# KiCad board PETER.kicad_pcb
title: PETER; date: 2024-07-29; rev: 0; company: Denno Wiggle; note: Peripheral ECP5 Technology and Entertainment; note: Resource
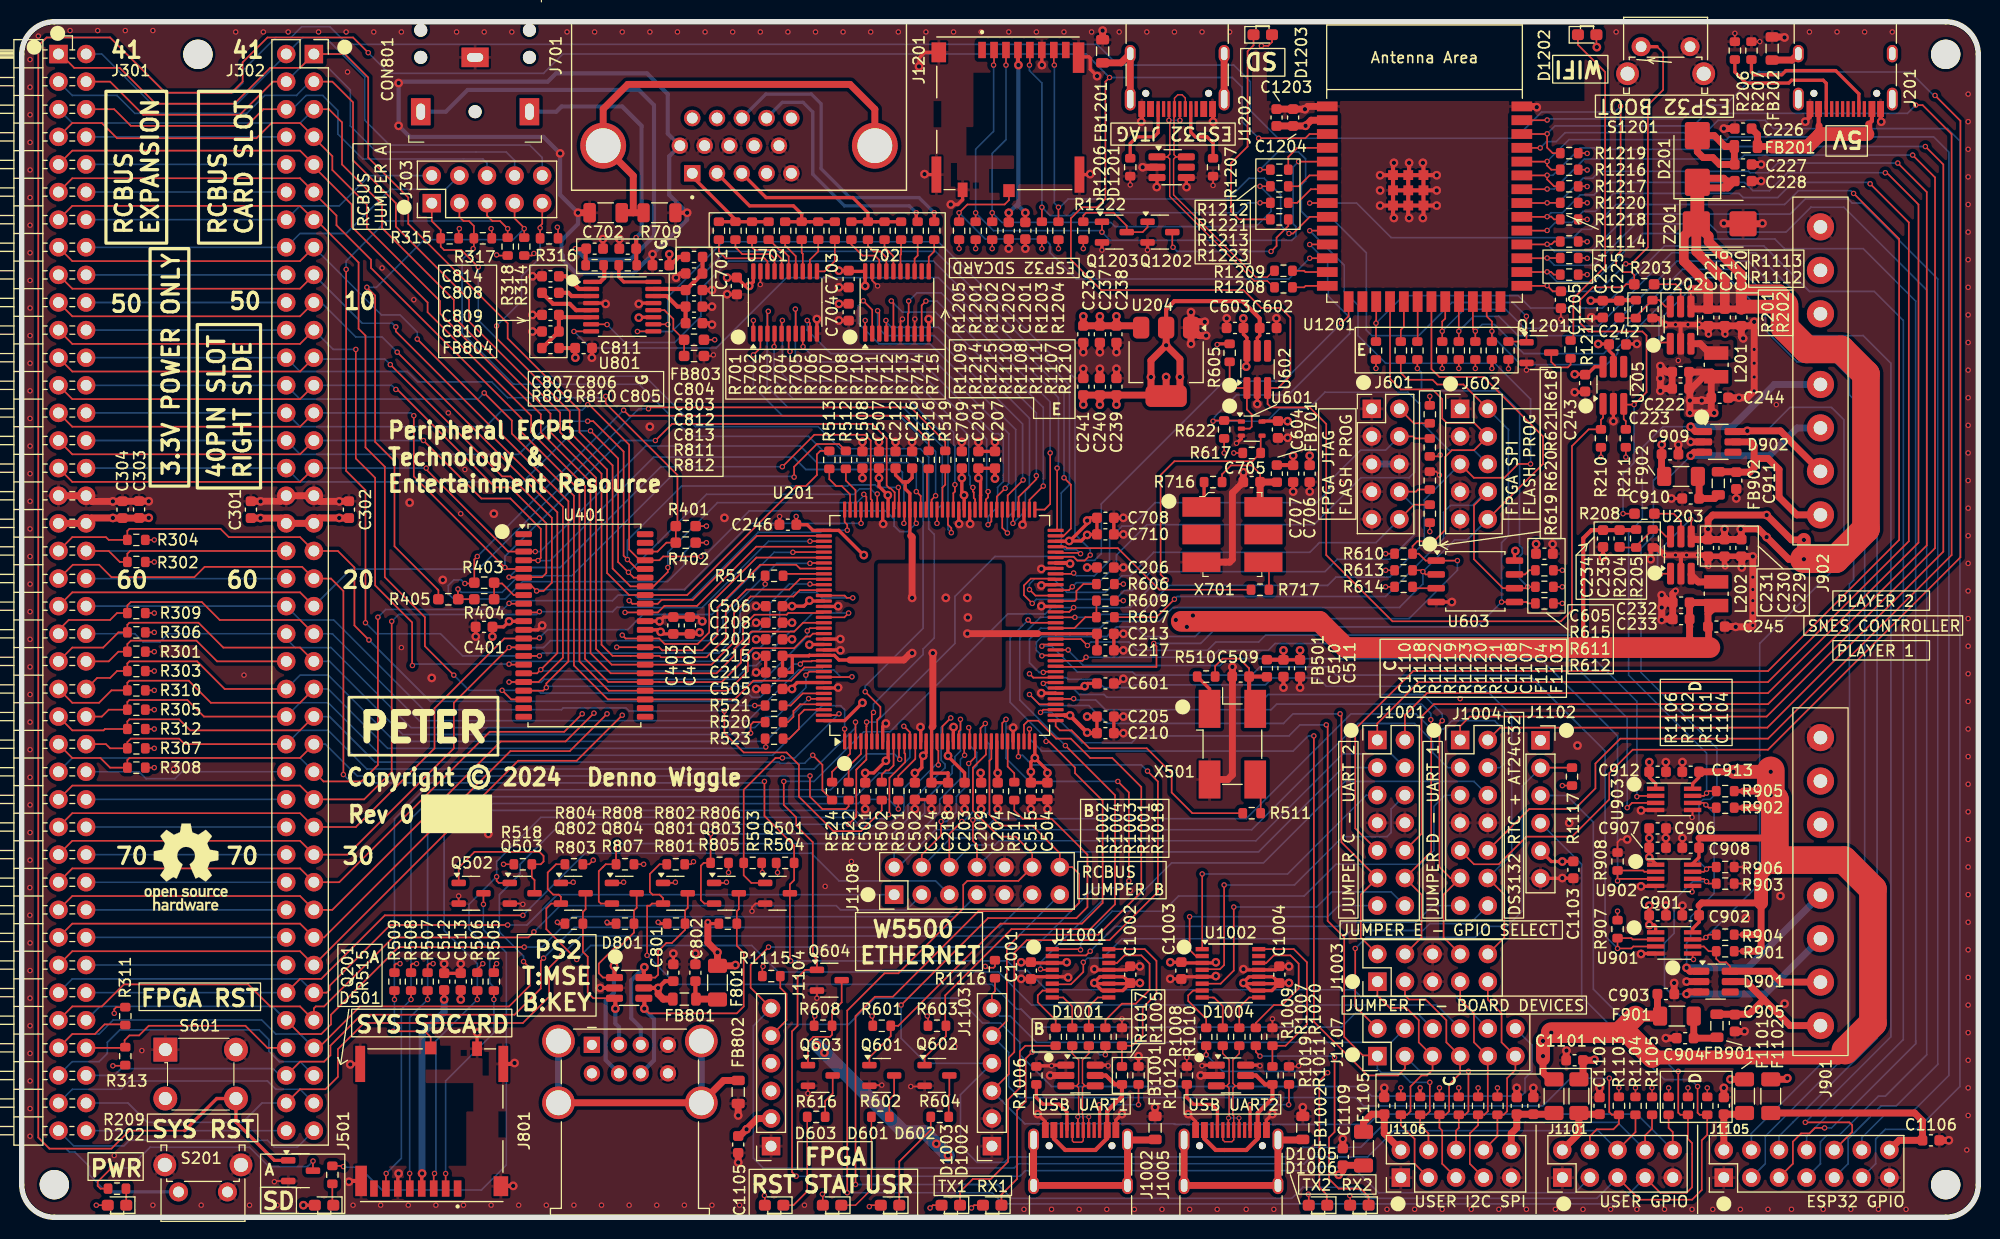
[diagram p0: board, top side]
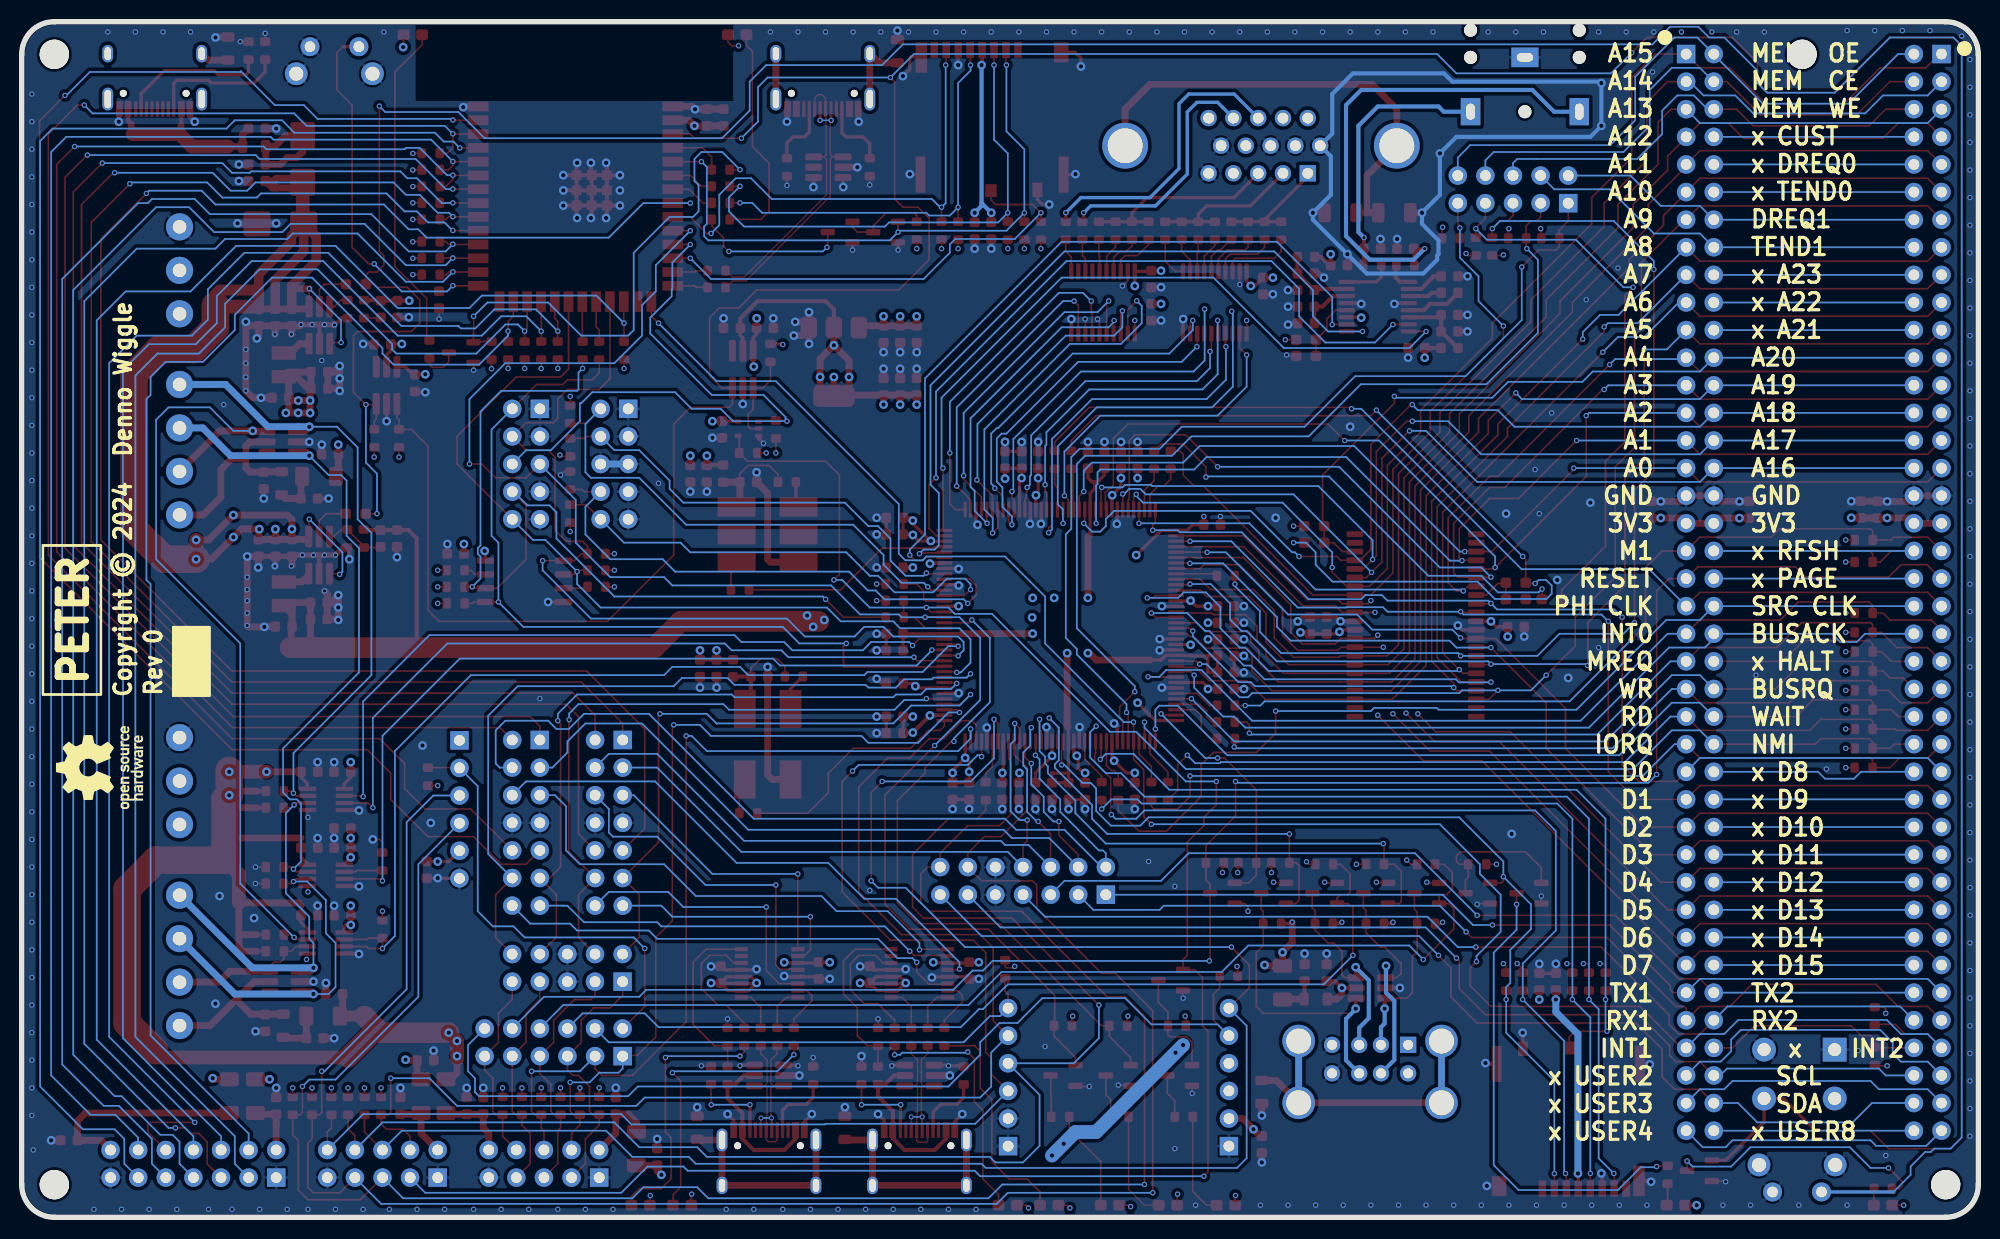
[diagram p1: board, bottom side, seen from below]

Outline 180 x 110 mm; copper layers: Top, In1.Cu (plane), In2.Cu (plane), Bottom. Coordinates in mm from the lower left corner of the outline.
Outline path: 0,107 arc(0.88,109.12) 3,110 177,110 arc(179.12,109.12) 180,107 180,3 arc(179.12,0.88) 177,0 3,0 arc(0.88,0.88) 0,3 0,107
Stack: Top 0.035mm / dielectric 0.0994mm 3313*1 er 4.05 / In1.Cu 0.0152mm / dielectric 1.265mm FR4 er 4.6 / In2.Cu 0.0152mm / dielectric 0.0994mm 3313*1 er 4.05 / Bottom 0.035mm

## Placement (name value [footprint] x y rotation side)
C201  100nF  [C_0603_1608Metric]  88.01 69.69 90 top
C202  100nF  [C_0603_1608Metric]  69.22 53.18 180 top
C203  100nF  [C_0603_1608Metric]  86.74 39.21 270 top
C204  100nF  [C_0603_1608Metric]  89.79 39.21 270 top
C205  100nF  [C_0603_1608Metric]  99.7 46.07 0 top
C206  100nF  [C_0603_1608Metric]  99.7 59.78 0 top
C207  4.7uF  [C_0603_1608Metric]  89.54 69.69 90 top
C208  4.7uF  [C_0603_1608Metric]  69.22 54.7 180 top
C209  4.7uF  [C_0603_1608Metric]  88.27 39.21 270 top
C210  4.7uF  [C_0603_1608Metric]  99.7 44.54 0 top
C211  100nF  [C_0603_1608Metric]  69.22 50.13 180 top
C212  100nF  [C_0603_1608Metric]  80.39 69.69 90 top
C213  100nF  [C_0603_1608Metric]  99.7 53.69 0 top
C214  100nF  [C_0603_1608Metric]  83.69 39.21 270 top
C215  4.7uF  [C_0603_1608Metric]  69.22 51.66 180 top
C216  4.7uF  [C_0603_1608Metric]  81.92 69.69 90 top
C217  4.7uF  [C_0603_1608Metric]  99.7 52.16 0 top
C218  4.7uF  [C_0603_1608Metric]  85.22 39.21 270 top
C219  100nF  [C_0603_1608Metric]  156.68 82.8 270 top
C220  4.7uF  [C_0603_1608Metric]  158.2 82.8 270 top
C221  4.7uF  [C_0603_1608Metric]  155.16 82.8 270 top
C222  4.7uF  [C_0603_1608Metric]  152.62 77.77 180 top
C223  4.7uF  [C_0603_1608Metric]  152.62 76.24 180 top
C224  100nF  [C_0603_1608Metric]  145.45 83.56 270 top
C225  120pF  [C_0603_1608Metric]  146.98 83.56 270 top  (not fitted)
C226  100nF  [C_0603_1608Metric]  158.37 100.17 180 top
C227  100nF  [C_0603_1608Metric]  158.37 96.87 0 top
C228  4.7uF  [C_0603_1608Metric]  158.37 95.34 0 top
C229  100nF  [C_0603_1608Metric]  158.2 61.59 270 top
C230  4.7uF  [C_0603_1608Metric]  156.65 61.59 270 top
C231  4.7uF  [C_0603_1608Metric]  155.13 61.59 270 top
C232  4.7uF  [C_0603_1608Metric]  152.67 56.56 180 top
C233  4.7uF  [C_0603_1608Metric]  152.67 55.03 180 top
C234  100nF  [C_0603_1608Metric]  145.48 62.45 270 top
C235  120pF  [C_0603_1608Metric]  147 62.45 270 top  (not fitted)
C236  4.7uF  [C_0603_1608Metric]  97.66 81.25 270 top
C237  4.7uF  [C_0603_1608Metric]  99.19 81.25 270 top
C238  100nF  [C_0603_1608Metric]  100.71 81.25 270 top
C239  100nF  [C_0603_1608Metric]  100.71 76.42 90 top
C240  4.7uF  [C_0603_1608Metric]  99.19 76.42 90 top
C241  4.7uF  [C_0603_1608Metric]  97.66 76.42 90 top
C242  100nF  [C_0603_1608Metric]  146.81 80.31 0 top
C243  100nF  [C_0603_1608Metric]  143.83 76.75 270 top
C244  4.7uF  [C_0603_1608Metric]  156.21 75.41 0 top
C245  4.7uF  [C_0603_1608Metric]  155.91 54.35 0 top
C246  100nF  [C_0603_1608Metric]  70.49 63.72 180 top
C301  4.7uF  [C_0603_1608Metric]  21.08 65.11 90 top
C302  100nF  [C_0603_1608Metric]  30.1 65.11 90 top
C303  4.7uF  [C_0603_1608Metric]  10.8 65.12 90 top
C304  100nF  [C_0603_1608Metric]  9.27 65.11 90 top
C401  100nF  [C_0603_1608Metric]  42.53 54.32 180 top
C402  100nF  [C_0603_1608Metric]  61.47 54.45 90 top
C403  4.7uF  [C_0603_1608Metric]  59.94 54.45 90 top
C501  100nF  [C_0603_1608Metric]  77.6 39.21 270 top
C502  100nF  [C_0603_1608Metric]  82.17 39.21 270 top
C504  4.7uF  [C_0603_1608Metric]  94.36 39.21 270 top
C505  100nF  [C_0603_1608Metric]  69.22 48.61 180 top
C506  100nF  [C_0603_1608Metric]  69.22 56.23 180 top
C507  100nF  [C_0603_1608Metric]  78.87 69.69 90 top
C508  4.7uF  [C_0603_1608Metric]  77.34 69.69 90 top
C509  100nF  [C_0603_1608Metric]  112.14 49.75 180 top
C510  100nF  [C_0603_1608Metric]  116.08 50.51 270 top
C511  4.7uF  [C_0603_1608Metric]  117.6 50.51 270 top
C512  100nF  [C_0603_1608Metric]  38.86 21.68 90 top
C513  4.7uF  [C_0603_1608Metric]  40.39 21.68 90 top
C515  100nF  [C_0603_1608Metric]  92.84 39.21 270 top
C601  100nF  [C_0603_1608Metric]  99.7 49.12 0 top
C602  100nF  [C_0603_1608Metric]  114.67 81.82 0 top
C603  100nF  [C_0603_1608Metric]  111.62 81.82 180 top
C604  100nF  [C_0603_1608Metric]  115.57 72.48 270 top
C605  100nF  [C_0603_1608Metric]  140.08 61.05 0 top
C701  100nF  [C_0603_1608Metric]  65.79 85.69 270 top
C702  1nF  [C_1206_3216Metric]  53.72 92.42 180 top
C703  100nF  [C_0603_1608Metric]  76.07 86.33 270 top
C704  4.7uF  [C_0603_1608Metric]  76.07 83.28 270 top
C705  100nF  [C_0603_1608Metric]  113.16 67.64 180 top
C706  100nF  [C_0603_1608Metric]  118.49 68.42 270 top
C707  4.7uF  [C_0603_1608Metric]  116.97 68.42 270 top
C708  100nF  [C_0603_1608Metric]  99.7 64.36 0 top
C709  100nF  [C_0603_1608Metric]  86.49 69.69 90 top
C710  4.7uF  [C_0603_1608Metric]  99.7 62.83 0 top
C801  100nF  [C_0603_1608Metric]  59.94 22.5 90 top
C802  100nF  [C_0603_1608Metric]  61.98 22.5 90 top
C803  100nF  [C_0603_1608Metric]  61.85 85.31 0 top
C804  4.7uF  [C_0603_1608Metric]  61.85 86.83 180 top
C805  100nF  [C_0603_1608Metric]  58.8 87.6 180 top
C806  2.7nF  [C_0603_1608Metric]  55.75 89.12 180 top
C807  2.7nF  [C_0603_1608Metric]  52.71 89.12 0 top
C808  1uF  [C_0603_1608Metric]  48.64 85.06 0 top
C809  100nF  [C_0603_1608Metric]  48.64 83.02 180 top
C810  4.7uF  [C_0603_1608Metric]  48.64 81.5 180 top
C811  100nF  [C_0603_1608Metric]  51.69 79.98 0 top
C812  1uF  [C_0603_1608Metric]  61.85 83.79 0 top
C813  1uF  [C_0603_1608Metric]  61.85 82.26 0 top
C814  1uF  [C_0603_1608Metric]  48.64 86.58 180 top
C901  100nF  [C_0603_1608Metric]  150.5 27.78 0 top
C902  100nF  [C_0603_1608Metric]  153.54 27.78 180 top
C903  100nF  [C_0603_1608Metric]  151.26 20.54 0 top
C904  100nF  [C_0603_1608Metric]  153.04 16.48 180 top
C905  100nF  [C_0603_1608Metric]  157.61 17.87 270 top
C906  4.7uF  [C_0603_1608Metric]  150.5 35.78 0 top
C907  100nF  [C_0603_1608Metric]  150.5 34 0 top
C908  100nF  [C_0603_1608Metric]  153.54 34 180 top
C909  100nF  [C_0603_1608Metric]  151.64 70.2 0 top
C910  100nF  [C_0603_1608Metric]  153.54 66.13 180 top
C911  100nF  [C_0603_1608Metric]  157.74 67.78 270 top
C912  100nF  [C_0603_1608Metric]  150.5 40.99 0 top
C913  100nF  [C_0603_1608Metric]  153.54 40.99 180 top
C1001  100nF  [C_0603_1608Metric]  92.84 22.7 270 top
C1002  100nF  [C_0603_1608Metric]  101.98 22.32 90 top
C1003  100nF  [C_0603_1608Metric]  106.68 22.7 270 top
C1004  100nF  [C_0603_1608Metric]  115.7 22.32 90 top
C1101  4.7uF  [C_0603_1608Metric]  142.86 14.44 180 top
C1102  100nF  [C_0603_1608Metric]  145.16 10.25 90 top
C1103  100nF  [C_0603_1608Metric]  142.75 31.97 270 top
C1104  100nF  [C_0603_1608Metric]  156.59 10.25 90 top
C1105  100nF  [C_0603_1608Metric]  65.91 6.7 270 top
C1106  100nF  [C_0603_1608Metric]  175.64 7.08 0 top
C1107  100nF  [C_0603_1608Metric]  139.07 10.25 90 top
C1108  4.7uF  [C_0603_1608Metric]  137.54 10.25 90 top
C1109  4.7uF  [C_0603_1608Metric]  121.54 5.56 90 top
C1110  100nF  [C_0603_1608Metric]  125.35 10.26 90 top
C1201  100nF  [C_0603_1608Metric]  92.33 90.77 270 top
C1202  4.7uF  [C_0603_1608Metric]  90.81 90.77 270 top
C1203  4.7uF  [C_0603_1608Metric]  115.44 101.19 90 top
C1204  100nF  [C_0603_1608Metric]  116.97 101.19 90 top
C1205  100nF  [C_0603_1608Metric]  141.61 84.42 270 top  (not fitted)
CON801  SJ1-3523N  [Headphone_Jack_3.5mm_SJ1-3523N]  41.71 101.72 270 top
D201  B320B-13-F  [D_SMB]  154.15 97.38 90 top
D202  LED_LTST-S270KGKT  [LTST-S270KGKT]  8.76 1.11 180 top
D501  LED_LTST-S270KGKT  [LTST-S270KGKT]  27.81 1.11 180 top
D601  LED_LTST-S270KGKT  [LTST-S270KGKT]  74.55 1.11 180 top
D602  LED_LTST-S270KGKT  [LTST-S270KGKT]  79.88 1.11 180 top
D603  LED_LTST-S270KGKT  [LTST-S270KGKT]  69.22 1.11 180 top
D801  RCLAMP0504S_TCT  [SOT-23-6_Handsoldering]  55.88 21.1 0 top
D901  RCLAMP0504S_TCT  [SOT-23-6_Handsoldering]  155.83 21.68 0 top
D902  RCLAMP0504S_TCT  [SOT-23-6_Handsoldering]  156.08 71.34 0 top
D1001  RCLAMP0504S_TCT  [SOT-23-6_Handsoldering]  97.41 13.05 0 top
D1002  LED_LTST-S270KGKT  [LTST-S270KGKT]  89.28 1.11 180 top
D1003  LED_LTST-S270KGKT  [LTST-S270KGKT]  85.47 1.11 180 top
D1004  RCLAMP0504S_TCT  [SOT-23-6_Handsoldering]  111.25 13.05 0 top
D1005  LED_LTST-S270KGKT  [LTST-S270KGKT]  123.06 1.11 180 top
D1006  LED_LTST-S270KGKT  [LTST-S270KGKT]  119.25 1.11 180 top
D1201  RCLAMP0504S_TCT  [SOT-23-6_Handsoldering]  105.79 96.61 0 top
D1202  LED_LTST-S270KGKT  [LTST-S270KGKT]  144.02 108.81 0 top
D1203  LED_LTST-S270KGKT  [LTST-S270KGKT]  114.17 108.81 0 top
F801  SMD1206B020TF  [R_1206_3216Metric_Pad1.30x1.75mm_HandSolder]  64.01 21.58 90 top
F901  SMD1206B020TF  [R_1206_3216Metric_Pad1.30x1.75mm_HandSolder]  152.27 18.51 0 top
F902  SMD1206B020TF  [R_1206_3216Metric_Pad1.30x1.75mm_HandSolder]  152.65 68.17 0 top
F1101  SMD1206B020TF  [R_1206_3216Metric_Pad1.30x1.75mm_HandSolder]  158.5 11.14 90 top
F1102  SMD1206B020TF  [R_1206_3216Metric_Pad1.30x1.75mm_HandSolder]  160.91 11.14 90 top
F1103  SMD1206B020TF  [R_1206_3216Metric_Pad1.30x1.75mm_HandSolder]  143.26 11.14 90 top
F1104  SMD1206B020TF  [R_1206_3216Metric_Pad1.30x1.75mm_HandSolder]  140.97 11.14 90 top  (not fitted)
F1105  SMD1206B020TF  [R_1206_3216Metric_Pad1.30x1.75mm_HandSolder]  123.45 6.32 270 top
FB201  BLM21PG121SN1D  [L_0805_2012Metric]  158.62 98.52 180 top
FB202  BLM21PG121SN1D  [L_0805_2012Metric]  161.04 107.54 270 top
FB501  BLM18AG601SN1D  [L_0603_1608Metric]  114.55 50.51 90 top
FB701  BLM18AG601SN1D  [L_0603_1608Metric]  115.47 68.42 90 top
FB801  BLM21PG121SN1D  [L_0805_2012Metric]  60.96 20.07 0 top
FB802  BLM21PG121SN1D  [L_0805_2012Metric]  65.91 11.52 90 top
FB803  BLM18AG601SN1D  [L_0603_1608Metric]  61.85 88.36 180 top
FB804  BLM18AG601SN1D  [L_0603_1608Metric]  48.64 79.98 0 top
FB901  BLM21PG121SN1D  [L_0805_2012Metric]  155.96 17.62 90 top
FB902  BLM21PG121SN1D  [L_0805_2012Metric]  156.08 67.53 90 top
FB1001  BLM21PG121SN1D  [L_0805_2012Metric]  104.27 8.22 270 top
FB1002  BLM21PG121SN1D  [L_0805_2012Metric]  117.86 8.22 270 top
FB1201  BLM21PG121SN1D  [L_0805_2012Metric]  99.44 107.28 270 top
H1  MountingHole  [MountingHole_2.7mm_M2.5_DIN965]  16.21 107 0 top
H2  MountingHole  [MountingHole_2.7mm_M2.5_DIN965]  177 107 0 top
H3  MountingHole  [MountingHole_2.7mm_M2.5_DIN965]  3 3 0 top
H4  MountingHole  [MountingHole_2.7mm_M2.5_DIN965]  177 3 0 top
J201  USB_C_Receptacle_USB2.0  [USB_C_Receptacle_HRO_TYPE-C-31-M-12]  167.77 106.01 180 top
J301  Conn_02x40_Top_Bottom  [RCBUS_PinHeader_2x40_P2.54mm_Horizontal]  -4.7 107.03 0 top
J302  Conn_02x40_Top_Bottom  [PinSocket_2x40_P2.54mm_Vertical_RCBUS80]  24.33 107.03 0 top
J303  Conn_02x05_Vertical  [PinHeader_2x05_P2.54mm_Vertical]  37.72 93.31 90 top
J501  Micro_SD_Molex_5033981892  [uSD_Molex_503398-1892]  37.72 8.47 180 top
J601  Conn_02x05_Vertical  [PinHeader_2x05_P2.54mm_Vertical]  124.2 74.38 0 top
J602  Conn_02x05_Vertical  [PinHeader_2x05_P2.54mm_Vertical]  132.33 74.38 0 top
J701  ICD15S13E4GX00LF  [AMPHENOL_ICD15S13E4GX00LF]  65.99 98.6 180 top
J801  USB_A_Stacked  [USB_A_Wuerth_61400826021_Horizontal_Stacked]  52.45 15.86 0 top
J901  PLAYER 1  [SNES_ControllerPortRightAngle_RightSide]  165.48 32.87 90 top
J902  PLAYER 2  [SNES_ControllerPortRightAngle_RightSide]  165.48 79.86 90 top
J1001  Conn_02x07_Odd_Even  [PinHeader_2x07_P2.54mm_Vertical]  124.71 43.91 0 top
J1002  USB_C_Receptacle_USB2.0  [USB_C_Receptacle_HRO_TYPE-C-31-M-12]  97.41 3.98 0 top
J1003  Conn_02x05_Vertical  [PinHeader_2x05_P2.54mm_Vertical]  124.72 21.68 90 top
J1004  Conn_02x07_Odd_Even  [PinHeader_2x07_P2.54mm_Vertical]  132.33 43.91 0 top
J1005  USB_C_Receptacle_USB2.0  [USB_C_Receptacle_HRO_TYPE-C-31-M-12]  111.25 3.98 0 top
J1101  Conn_02x05_Vertical  [PinHeader_2x05_P2.54mm_Vertical]  141.73 3.65 90 top
J1102  Conn_01x06  [PinSocket_1x06_P2.54mm_Vertical]  139.73 43.88 0 top
J1103  Conn_01x06  [PinSocket_1x06_P2.54mm_Vertical]  89.26 6.55 180 top
J1104  Conn_01x06  [PinSocket_1x06_P2.54mm_Vertical]  68.94 6.55 180 top
J1105  Conn_02x07_Odd_Even  [PinHeader_2x07_P2.54mm_Vertical]  156.59 3.65 90 top
J1106  Conn_02x05_Vertical  [PinHeader_2x05_P2.54mm_Vertical]  126.88 3.65 90 top
J1107  Conn_02x06_Odd_Even  [PinHeader_2x06_P2.54mm_Vertical]  124.71 14.83 90 top
J1108  Conn_02x07_Odd_Even  [PinHeader_2x07_P2.54mm_Vertical]  80.26 29.68 90 top
J1201  Micro_SD_Molex_5033981892  [uSD_Molex_503398-1892]  90.73 101.57 0 top
J1202  USB_C_Receptacle_USB2.0  [USB_C_Receptacle_HRO_TYPE-C-31-M-12]  106.3 106.01 180 top
L201  IND_1uF_3A_DFE252012F-1R0M=P2  [INDC2520X120N]  155.89 78.43 270 top
L202  IND_1uF_3A_DFE252012F-1R0M=P2  [INDC2520X120N]  155.89 57.37 270 top
LOGO101  Logo_Open_Hardware_Small  [OSHW-Logo_7.5x8mm_SilkScreen]  15.11 32.22 0 top
LOGO102  Logo_Open_Hardware_Small  [OSHW-Logo_7.5x8mm_SilkScreen]  172.85 41.37 90 bottom
Q201  MMUN2211LT1G  [SOT-23-3]  25.66 4.28 0 top
Q501  MMUN2211LT1G  [SOT-23-3]  69.53 29.81 0 top
Q502  MMUN2211LT1G  [SOT-23-3]  41.34 29.81 0 top
Q503  MMUN2211LT1G  [SOT-23-3]  46.04 29.81 0 top
Q601  MMUN2211LT1G  [SOT-23-3]  79.12 13.05 0 top
Q602  MMUN2211LT1G  [SOT-23-3]  84.2 13.05 0 top
Q603  MMUN2211LT1G  [SOT-23-3]  73.47 13.05 0 top
Q604  MMUN2211LT1G  [SOT-23-3]  74.3 21.81 0 top
Q801  BSS138  [SOT-23-3]  60.14 29.81 0 top
Q802  BSS138  [SOT-23-3]  50.74 29.81 0 top
Q803  BSS138  [SOT-23-3]  64.83 29.81 0 top
Q804  BSS138  [SOT-23-3]  55.44 29.81 0 top
Q1201  MMUN2211LT1G  [SOT-23-3]  139.57 79.56 0 top
Q1202  MMUN2211LT1G  [SOT-23-3]  104.71 90.64 0 top
Q1203  MMUN2211LT1G  [SOT-23-3]  100.52 90.64 0 top
R201  45K3  [R_0603_1608Metric]  148.5 83.56 270 top
R202  10K  [R_0603_1608Metric]  150.03 83.56 270 top
R203  0R  [R_0603_1608Metric_Pad0.98x0.95mm_HandSolder]  149.26 85.84 0 top
R204  10K  [R_0603_1608Metric]  148.53 62.45 270 top
R205  12K0  [R_0603_1608Metric]  150.05 62.45 270 top
R206  5K1  [R_0603_1608Metric]  157.61 107.34 90 top
R207  5K1  [R_0603_1608Metric]  159.13 107.34 90 top
R208  0R  [R_0603_1608Metric_Pad0.98x0.95mm_HandSolder]  149.29 64.74 0 top
R209  1K00  [R_0603_1608Metric]  8.76 2.63 180 top
R210  10K  [R_0603_1608Metric]  145.29 71.67 90 top
R211  10K  [R_0603_1608Metric]  147.57 71.67 90 top
R301  10K  [R_0603_1608Metric]  10.54 52.04 0 top
R302  10K  [R_0603_1608Metric]  10.54 60.29 0 top
R303  10K  [R_0603_1608Metric]  10.54 50.26 0 top
R304  10K  [R_0603_1608Metric]  10.54 62.32 0 top
R305  10K  [R_0603_1608Metric]  10.54 46.7 0 top
R306  10K  [R_0603_1608Metric]  10.54 53.81 0 top
R307  10K  [R_0603_1608Metric]  10.54 43.15 0 top
R308  10K  [R_0603_1608Metric]  10.54 41.37 0 top
R309  10K  [R_0603_1608Metric]  10.54 55.59 0 top
R310  10K  [R_0603_1608Metric]  10.54 48.48 0 top
R311  10K  [R_0603_1608Metric]  9.53 18.51 90 top
R312  10K  [R_0603_1608Metric]  10.54 44.92 0 top
R313  10K  [R_0603_1608Metric]  9.53 14.83 270 top
R314  10K  [R_0603_1608Metric]  46.23 89.31 270 top
R315  10K  [R_0603_1608Metric]  39.37 90.07 0 top
R316  10K  [R_0603_1608Metric]  48.52 90.07 0 top
R317  10K  [R_0603_1608Metric]  42.42 90.07 0 top
R318  10K  [R_0603_1608Metric]  44.7 89.31 270 top
R401  0R  [R_0603_1608Metric_Pad0.98x0.95mm_HandSolder]  61.09 63.59 180 top
R402  0R  [R_0603_1608Metric_Pad0.98x0.95mm_HandSolder]  61.09 62.07 180 top  (not fitted)
R403  0R  [R_0603_1608Metric_Pad0.98x0.95mm_HandSolder]  42.55 58.39 0 top
R404  0R  [R_0603_1608Metric_Pad0.98x0.95mm_HandSolder]  42.55 56.86 0 top  (not fitted)
R405  0R  [R_0603_1608Metric_Pad0.98x0.95mm_HandSolder]  39.24 56.86 180 top
R501  33R  [R_0603_1608Metric]  80.65 39.21 270 top
R502  33R  [R_0603_1608Metric]  79.12 39.21 270 top
R503  4K02  [R_0603_1608Metric]  67.25 32.61 180 top
R504  4K02  [R_0603_1608Metric]  70.23 32.61 0 top
R505  4K02  [R_0603_1608Metric]  43.44 21.68 270 top
R506  10K  [R_0603_1608Metric]  41.91 21.68 270 top
R507  10K  [R_0603_1608Metric]  37.34 21.68 270 top
R508  10K  [R_0603_1608Metric]  35.81 21.68 270 top
R509  10K  [R_0603_1608Metric]  34.29 21.68 270 top
R510  10K  [R_0603_1608Metric]  108.97 49.75 180 top
R511  33R  [R_0603_1608Metric]  113.16 37.18 0 top
R512  33R  [R_0603_1608Metric]  75.82 69.69 90 top
R513  33R  [R_0603_1608Metric]  74.3 69.69 90 top
R514  33R  [R_0603_1608Metric]  69.22 59.02 180 top
R515  1K00  [R_0603_1608Metric]  28.58 3.9 90 top
R516  33R  [R_0603_1608Metric]  83.44 69.69 90 top
R517  33R  [R_0603_1608Metric]  91.31 39.21 90 top
R518  4K02  [R_0603_1608Metric]  46.1 32.48 0 top
R519  0R  [R_0603_1608Metric]  84.96 69.69 270 top
R520  0R  [R_0603_1608Metric]  69.22 45.56 0 top
R521  0R  [R_0603_1608Metric]  69.22 47.08 0 top
R522  0R  [R_0603_1608Metric]  76.07 39.21 90 top
R523  0R  [R_0603_1608Metric]  69.22 44.04 0 top
R524  0R  [R_0603_1608Metric]  74.55 39.21 90 top
R601  4K02  [R_0603_1608Metric]  79.12 17.62 0 top
R602  1K00  [R_0603_1608Metric]  78.99 9.24 0 top
R603  4K02  [R_0603_1608Metric]  84.2 17.62 0 top
R604  1K00  [R_0603_1608Metric]  84.46 9.24 0 top
R605  10K  [R_0603_1608Metric]  111.13 79.54 270 top
R606  10K  [R_0603_1608Metric]  99.7 58.26 180 top
R607  33R  [R_0603_1608Metric]  99.7 55.21 180 top
R608  4K02  [R_0603_1608Metric]  73.73 17.62 0 top
R609  1K00  [R_0603_1608Metric]  99.7 56.74 180 top
R610  4K02  [R_0603_1608Metric]  127.13 61.05 0 top
R611  10K  [R_0603_1608Metric]  140.08 58.01 180 top
R612  10K  [R_0603_1608Metric]  140.08 56.48 180 top
R613  10K  [R_0603_1608Metric]  127.13 59.53 0 top
R614  10K  [R_0603_1608Metric]  127.13 58.01 0 top
R615  10K  [R_0603_1608Metric]  140.08 59.53 180 top
R616  1K00  [R_0603_1608Metric]  73.09 9.24 0 top
R617  4K02  [R_0603_1608Metric]  113.16 70.33 0 top
R618  4K02  [R_0603_1608Metric]  129.54 73.88 270 top
R619  4K02  [R_0603_1608Metric]  129.54 64.74 90 top
R620  4K02  [R_0603_1608Metric]  129.54 67.78 270 top
R621  4K02  [R_0603_1608Metric]  129.54 70.83 90 top
R622  10K  [R_0603_1608Metric]  110.62 72.48 90 top
R701  4K02  [R_0603_1608Metric]  64.14 90.77 90 top
R702  2K00  [R_0603_1608Metric]  65.66 90.77 90 top
R703  1K00  [R_0603_1608Metric]  67.18 90.77 90 top
R704  499R  [R_0603_1608Metric]  68.71 90.77 90 top
R705  4K02  [R_0603_1608Metric]  70.23 90.77 90 top
R706  2K00  [R_0603_1608Metric]  71.76 90.77 90 top
R707  1K00  [R_0603_1608Metric]  73.28 90.77 90 top
R708  499R  [R_0603_1608Metric]  74.8 90.77 90 top
R709  1M  [R_1206_3216Metric]  58.67 92.42 0 top
R710  4K02  [R_0603_1608Metric]  76.33 90.77 90 top
R711  2K00  [R_0603_1608Metric]  77.85 90.77 90 top
R712  1K00  [R_0603_1608Metric]  79.38 90.77 90 top
R713  499R  [R_0603_1608Metric]  80.9 90.77 90 top
R714  33R  [R_0603_1608Metric]  82.42 90.77 90 top
R715  33R  [R_0603_1608Metric]  83.95 90.77 90 top
R716  10K  [R_0603_1608Metric]  109.6 67.64 180 top
R717  33R  [R_0603_1608Metric]  113.92 57.74 0 top
R801  10K  [R_0603_1608Metric]  60.2 27.02 0 top
R802  10K  [R_0603_1608Metric]  60.17 32.48 180 top
R803  10K  [R_0603_1608Metric]  50.8 27.02 0 top
R804  10K  [R_0603_1608Metric]  50.8 32.48 180 top
R805  10K  [R_0603_1608Metric]  64.96 27.02 0 top
R806  10K  [R_0603_1608Metric]  64.2 32.61 180 top
R807  10K  [R_0603_1608Metric]  55.5 27.02 0 top
R808  10K  [R_0603_1608Metric]  55.5 32.48 180 top
R809  499R  [R_0603_1608Metric]  52.71 87.6 180 top
R810  499R  [R_0603_1608Metric]  55.75 87.6 0 top
R811  0R  [R_0603_1608Metric_Pad0.98x0.95mm_HandSolder]  61.85 80.74 180 top
R812  0R  [R_0603_1608Metric_Pad0.98x0.95mm_HandSolder]  61.85 79.25 180 top  (not fitted)
R901  10K  [R_0603_1608Metric]  156.72 24.48 0 top
R902  10K  [R_0603_1608Metric]  156.72 37.69 0 top
R903  10K  [R_0603_1608Metric]  156.72 30.7 0 top
R904  10K  [R_0603_1608Metric]  156.72 26 0 top
R905  10K  [R_0603_1608Metric]  156.72 39.21 0 top
R906  10K  [R_0603_1608Metric]  156.72 32.22 0 top
R907  10K  [R_0603_1608Metric]  146.81 26.51 90 top
R908  10K  [R_0603_1608Metric]  146.81 32.73 90 top
R1001  1K00  [R_0603_1608Metric]  99.7 16.6 90 top
R1002  1K00  [R_0603_1608Metric]  95.12 16.6 90 top
R1003  33R  [R_0603_1608Metric]  98.17 16.6 90 top